# Altium PCB AFE.PcbDoc (part 1 of 2) (continued)
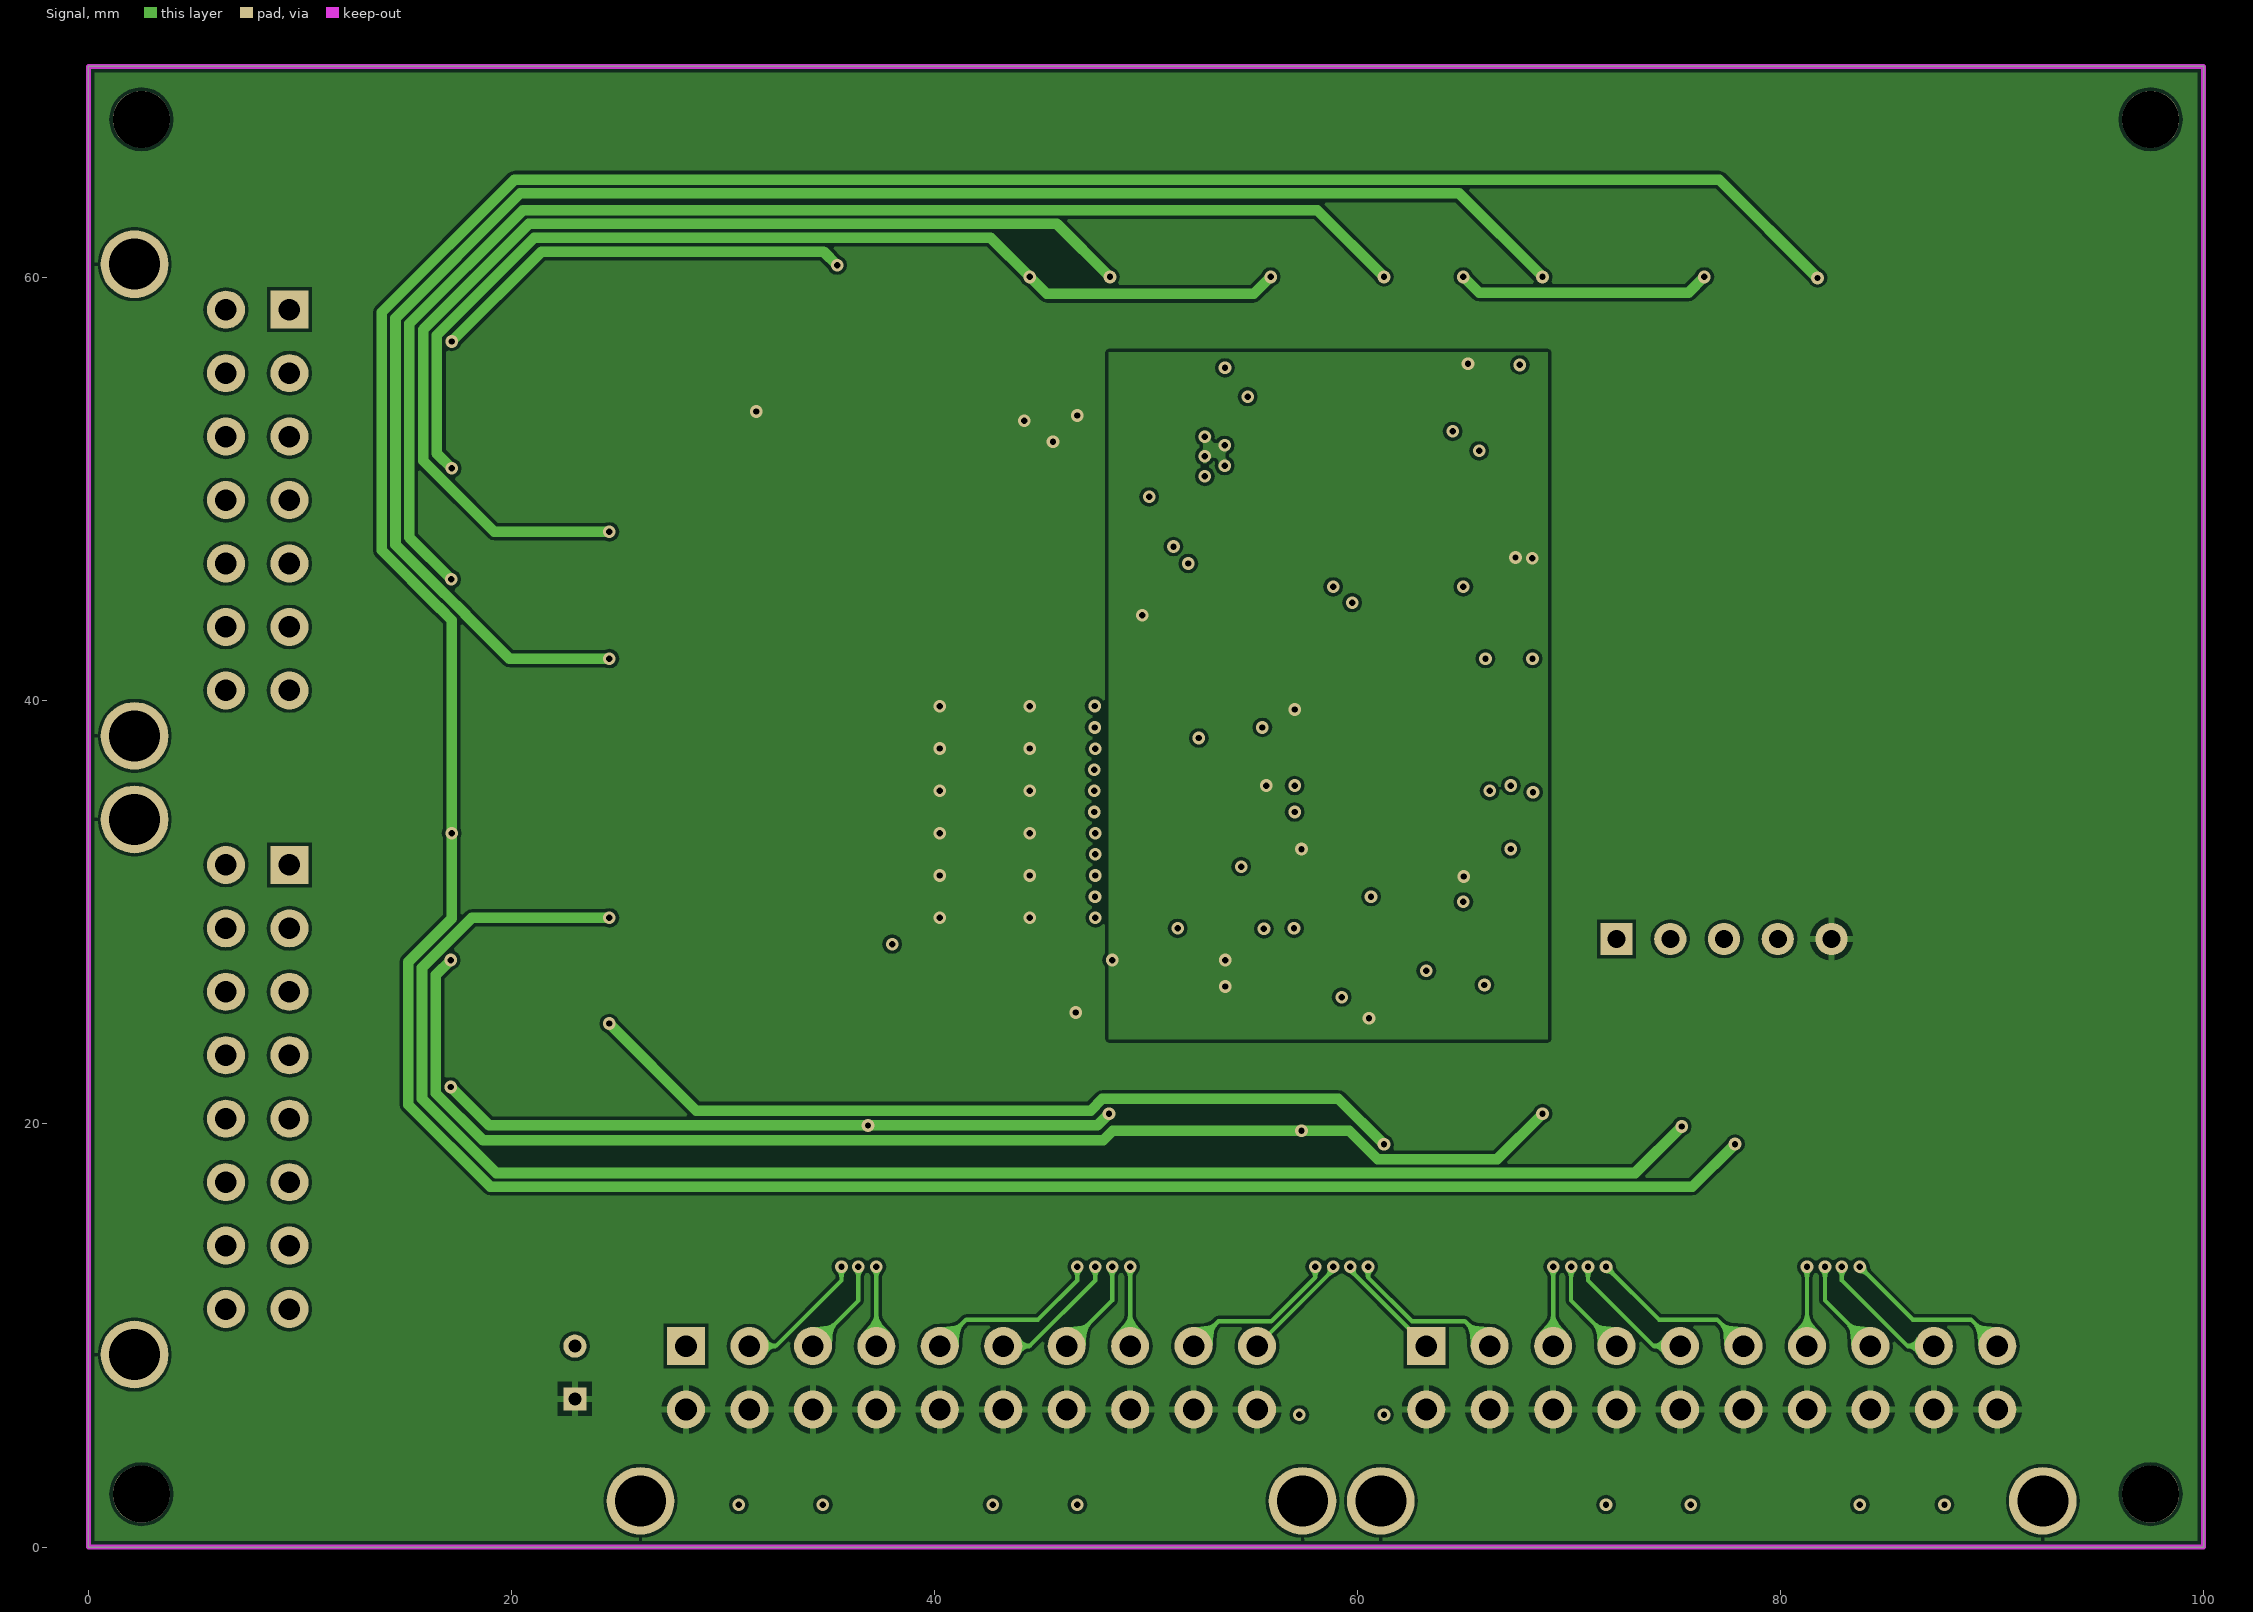
[diagram p3: Signal]
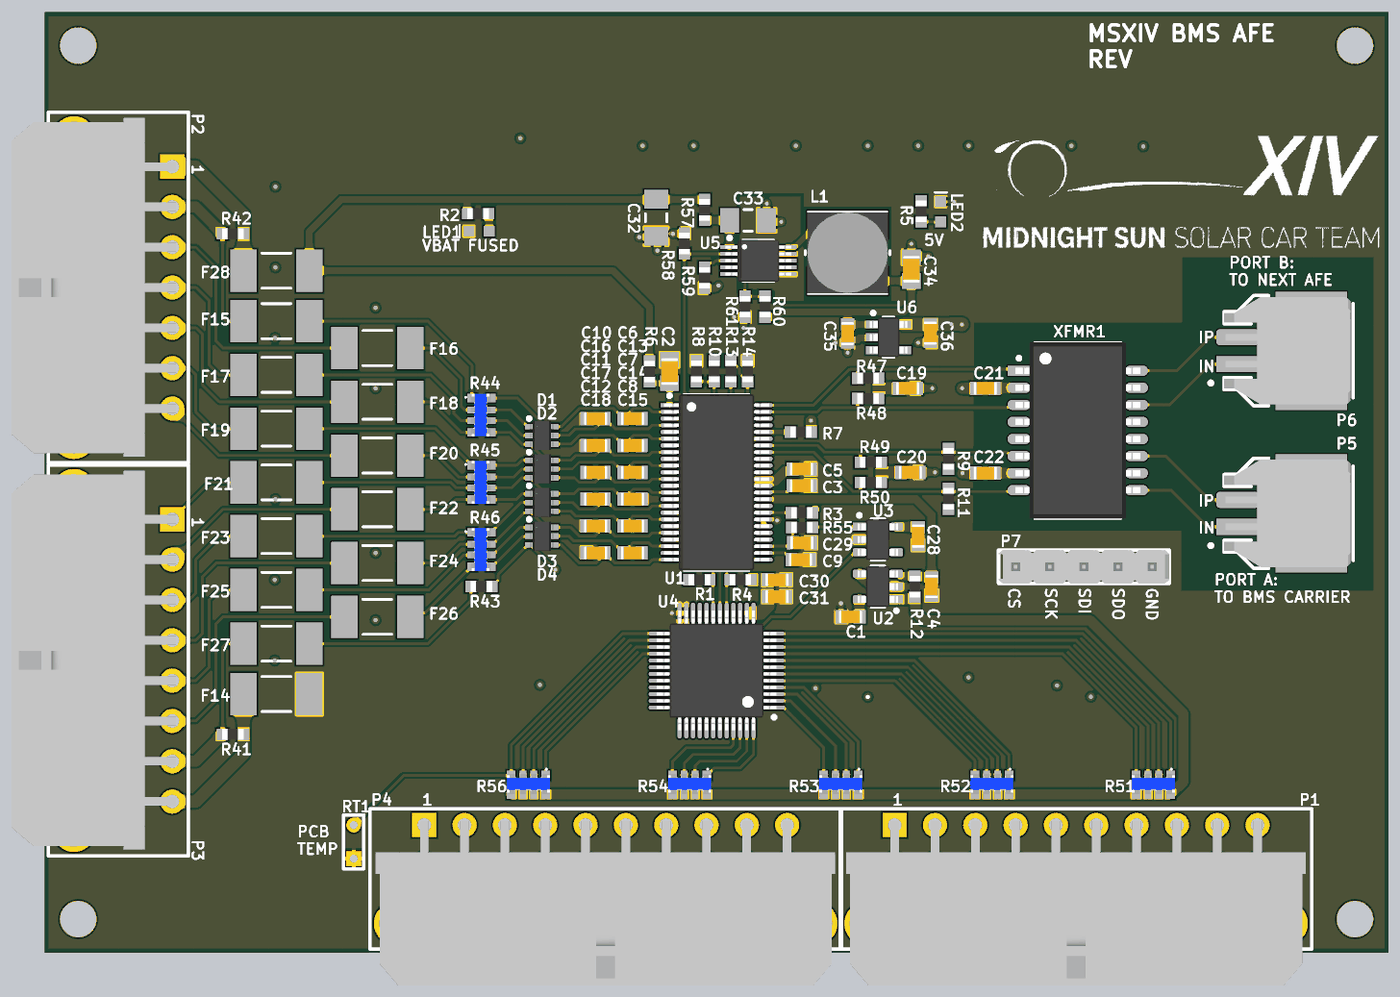
[diagram p5: 3D render of the assembled board from above, using the file's embedded part models]
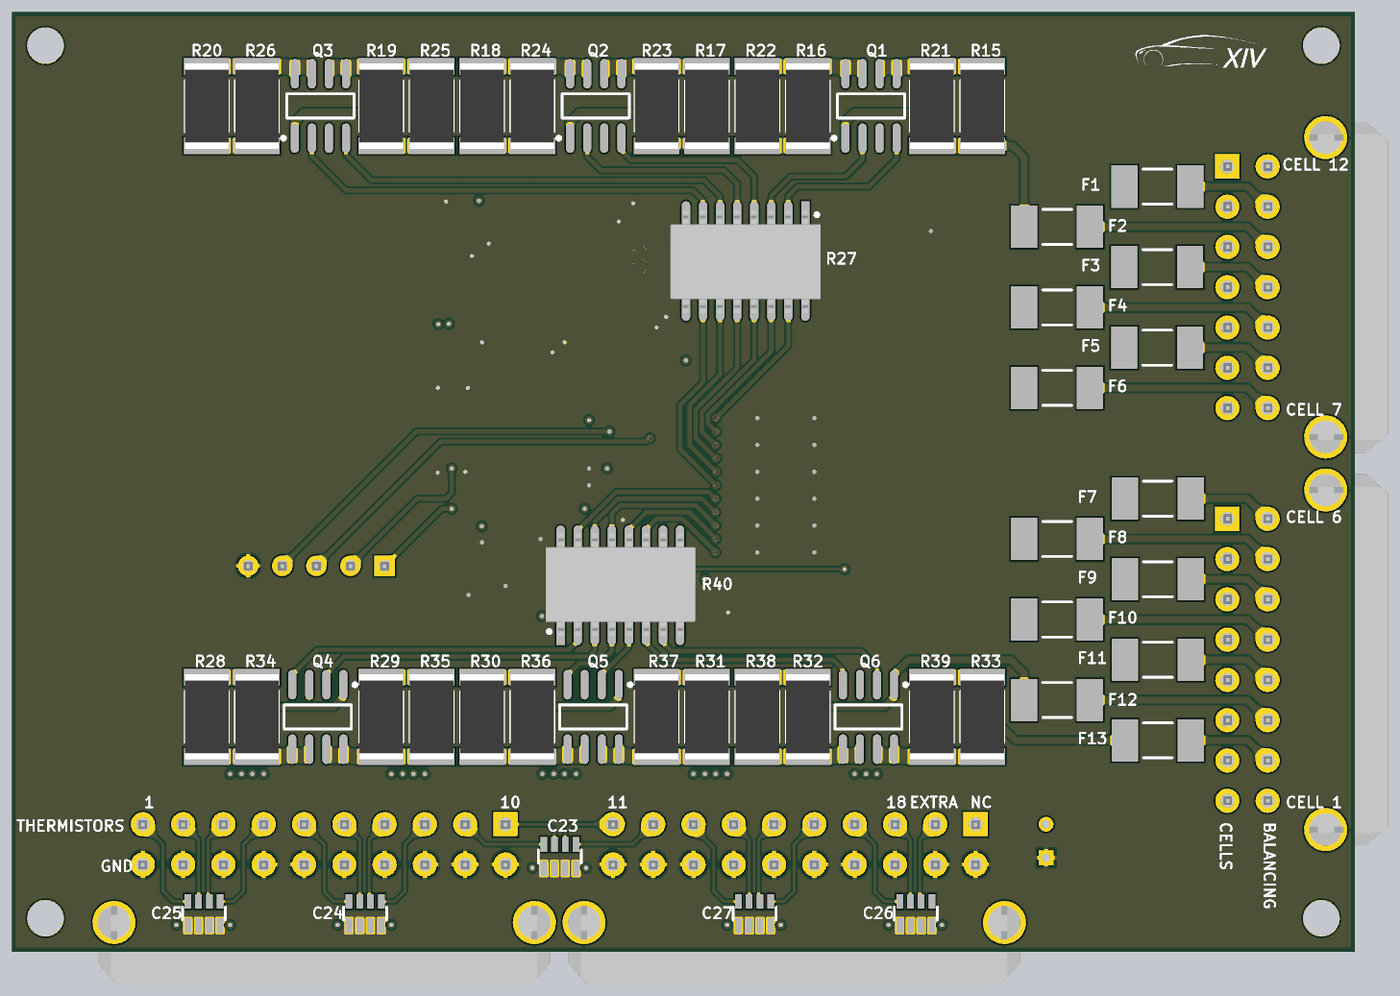
[diagram p6: 3D render of the assembled board from below, using the file's embedded part models]

## Layer stack, top to bottom
Top Solder: solder mask 0.0254, SM-001, Dk 4
Top Layer: signal copper 0.0356
Dielectric 1: core 0.254, FR-4, Dk 4.2
Ground: signal copper 0.036
Dielectric 3: prepreg 0.127, Dk 4.2
Signal: signal copper 0.036
Dielectric 2: core 0.254, Dk 4.2
Bottom Layer: signal copper 0.0356
Bottom Solder: solder mask 0.0254, SM-001, Dk 4

## Board outline
0,0 0,70 100,70 100,0

## Design rules (kind name [scope] priority, off if disabled: settings)
BoardOutlineClearance [All] p1: gap=0.295 ignorepadtopadclearanceinfootprint=FALSE
Clearance HV_IN_Clearance_to_GND [InNetClass('HV_IN') vs InNet('GND')] p1 off: gap=0.6 ignorepadtopadclearanceinfootprint=FALSE except(0: Arc-Hole Track-Hole SMDPad-Hole THPad-Hole Via-Hole Fill-Hole Poly-Hole Region-Hole Text-Hole)
Clearance HV_IN_Clearance_to_+6V [InNetClass('HV_IN') vs InNet('+6V')] p2 off: gap=0.6 ignorepadtopadclearanceinfootprint=FALSE except(0: Arc-Hole Track-Hole SMDPad-Hole THPad-Hole Via-Hole Fill-Hole Poly-Hole Region-Hole Text-Hole)
Clearance HV_IN_Clearance_to_+5V [InNetClass('HV_IN') vs InNet('+5V')] p3 off: gap=0.6 ignorepadtopadclearanceinfootprint=FALSE except(0: Arc-Hole Track-Hole SMDPad-Hole THPad-Hole Via-Hole Fill-Hole Poly-Hole Region-Hole Text-Hole)
Clearance [All] p4: gap=0.152 ignorepadtopadclearanceinfootprint=FALSE except(0: Arc-Hole Track-Hole SMDPad-Hole THPad-Hole Via-Hole Fill-Hole Poly-Hole Region-Hole Text-Hole)
DiffPairsRouting [All] p1: maxlimit=0.65 minlimit=0.45 mostfreqgap=0.6 toplayer_minwidth=0.18 toplayer_maxwidth=0.3 toplayer_prefwidth=0.2 midlayer1_minwidth=0.18 midlayer1_maxwidth=0.3 midlayer1_prefwidth=0.2 midlayer2_minwidth=0.18 midlayer2_maxwidth=0.3 midlayer2_prefwidth=0.2 bottomlayer_minwidth=0.18 bottomlayer_maxwidth=0.3 bottomlayer_prefwidth=0.2 maxuncoupledlength=12.7
HoleSize [All] p1: absolutevalues=TRUE maxlimit=100 minlimit=0.025 maxpercent=80.000 minpercent=20.000
MinimumSolderMaskSliver [All] p1: minsoldermaskwidth=0.3
PlaneConnect [All] p1: planeconnectstyle=Relief reliefexpansion=0.508 reliefentries=4 reliefconductorwidth=0.254 reliefairgap=0.152
PolygonConnect Vias [isVia] p1: connectstyle=Direct reliefconductorwidth=0.254 reliefentries=4 polygonreliefangle="90 Angle" airgapwidth=0.254
PolygonConnect FUSED_VBAT- [InNet('FUSED_VBAT-')] p2: thpad.connectstyle=Relief thpad.reliefconductorwidth=0.3 thpad.reliefentries=4 thpad.polygonreliefangle="90 Angle" thpad.airgapwidth=0.254 smdpad.connectstyle=Direct smdpad.reliefconductorwidth=0.254 smdpad.reliefentries=4 smdpad.polygonreliefangle="90 Angle" smdpad.airgapwidth=0.254 via.connectstyle=Direct via.reliefconductorwidth=0.254 via.reliefentries=4 via.polygonreliefangle="90 Angle" via.airgapwidth=0.254
PolygonConnect [All] p3: connectstyle=Relief reliefconductorwidth=0.3 reliefentries=4 polygonreliefangle="90 Angle" airgapwidth=0.152
RoutingVias [All] p1: holewidth=0.3 width=0.6 viastyle="Through Hole" minholewidth=0.3 minwidth=0.6 maxholewidth=0.711 maxwidth=1.27
SilkToSilkClearance [All] p1: silktosilkclearance=0
SilkToSolderMaskClearance [IsPad] p1: minsilkscreentomaskgap=0.178 clearancetoexposedcopper=TRUE
SolderMaskExpansion [All] p1: expansion=0.102 istentingtop=FALSE
Width [All] p1: maxlimit=2.54 minlimit=0.2 preferedwidth=0.35
24 further rules are at their usual default settings.

## Classes and differential pairs
net class BAL_INPUT_[0..12]: BAL_INPUT_0 BAL_INPUT_1 BAL_INPUT_2 BAL_INPUT_3 BAL_INPUT_4 BAL_INPUT_5 BAL_INPUT_6 BAL_INPUT_7 BAL_INPUT_8 BAL_INPUT_9 BAL_INPUT_10 BAL_INPUT_11 BAL_INPUT_12
net class BAL_CONTROL_[1..12]: BAL_CONTROL_1 BAL_CONTROL_2 BAL_CONTROL_3 BAL_CONTROL_4 BAL_CONTROL_5 BAL_CONTROL_6 BAL_CONTROL_7 BAL_CONTROL_8 BAL_CONTROL_9 BAL_CONTROL_10 BAL_CONTROL_11 BAL_CONTROL_12
component class "U_BMS AFE - Regulator": C23 C24 C25 C36 L1 R15 R21 R33 R39 R54 U2 U6
component class "BMS AFE - Thermistors": C11 C21 C30 C36 R5 R11 R17 R22 R27 R54 RT1 U3
component class "BMS AFE - Connectors": C23 C24 C25 C36 P1 P2 P4 P5
component class "BMS AFE - Communications": C1 C3 C5 C21 R22 R23 R29 R37 XFMR1
component class "BMS AFE - Cell Balancing": F3 F4 F7 F8 F9 F11 F13 F17 Q3 Q5 Q6 R5 R8 R11 R14 R15 R17 R21 R22 R27 R28 R29 R34 R35 R37 R41 R44 R48 R54
net class THERMISTOR_CELL_[0..17]: THERMISTOR_CELL_0 THERMISTOR_CELL_1 THERMISTOR_CELL_2 THERMISTOR_CELL_3 THERMISTOR_CELL_4 THERMISTOR_CELL_5 THERMISTOR_CELL_6 THERMISTOR_CELL_7 THERMISTOR_CELL_8 THERMISTOR_CELL_9 THERMISTOR_CELL_10 THERMISTOR_CELL_11 THERMISTOR_CELL_12 THERMISTOR_CELL_13 THERMISTOR_CELL_14 THERMISTOR_CELL_15 THERMISTOR_CELL_16 THERMISTOR_CELL_17
net class CELL_INPUT_[0..12]: CELL_INPUT_0 CELL_INPUT_1 CELL_INPUT_2 CELL_INPUT_3 CELL_INPUT_4 CELL_INPUT_5 CELL_INPUT_6 CELL_INPUT_7 CELL_INPUT_8 CELL_INPUT_9 CELL_INPUT_10 CELL_INPUT_11 CELL_INPUT_12
net class AFE_CELL_INPUT_[0..12]: AFE_CELL_INPUT_0 AFE_CELL_INPUT_1 AFE_CELL_INPUT_2 AFE_CELL_INPUT_3 AFE_CELL_INPUT_4 AFE_CELL_INPUT_5 AFE_CELL_INPUT_6 AFE_CELL_INPUT_7 AFE_CELL_INPUT_8 AFE_CELL_INPUT_9 AFE_CELL_INPUT_10 AFE_CELL_INPUT_11 AFE_CELL_INPUT_12
component class "BMS AFE - AFE": C1 C2 C11 C21 C30 LED1 LED2 R5 R8 R11 R14 R25 R35 R41 R44 R46 R54 U2 U3
component class "BMS AFE - Cell Inputs": C2 C7 C8 C11 C21 C24 C25 C30 D1 D2 F2 F3 F4 F7 F8 F9 F11 F12 F13 F16 F17 q R18 R25 R35 R41 R44 R46
differential pair ISOSPI_IB: +ISOSPI_IB_P -ISOSPI_IB_N
differential pair ISOSPI_IA: +ISOSPI_IA_P -ISOSPI_IA_N
differential pair IB: +IB_P -IB_N
differential pair IA: +IA_P -IA_N

## Components (designator, comment, footprint, x,y, rotation, side; value= is the part's Value field where it differs from the comment)
C1 "CAP CER 0.1UF 50V 10% X7R 0603" "CAP, 0603" 59.965,25 r180 top
C2 "CAP CER 0.1UF 100V 10% X7R 0805" "CAP, 0805" 46.5,43.25 r90 top
C3 "CAP CER 1UF 50V 10% X7R 0603" "CAP, 0603" 56.325,34.75 r0 top
C4 "CAP CER 1UF 50V 10% X7R 0603" "CAP, 0603" 66,27.25 r270 top
C5 "CAP CER 1UF 50V 10% X7R 0603" "CAP, 0603" 56.325,36 r0 top
C6 "CAP CER 10nF 50V 5% X7R 0603" "CAP, 0603" 43.75,39.75 r0 top
C7 "CAP CER 10nF 50V 5% X7R 0603" "CAP, 0603" 43.75,35.75 r0 top
C8 "CAP CER 10nF 50V 5% X7R 0603" "CAP, 0603" 43.75,31.75 r0 top (schematic designator C?)
C9 "CAP CER 10nF 50V 5% X7R 0603" "CAP, 0603" 56.25,29.25 r0 top
C10 "CAP CER 10nF 50V 5% X7R 0603" "CAP, 0603" 41,39.75 r180 top
C11 "CAP CER 10nF 50V 5% X7R 0603" "CAP, 0603" 41,35.75 r180 top
C12 "CAP CER 10nF 50V 5% X7R 0603" "CAP, 0603" 41,31.75 r180 top
C13 "CAP CER 10nF 50V 5% X7R 0603" "CAP, 0603" 43.75,37.75 r0 top
C14 "CAP CER 10nF 50V 5% X7R 0603" "CAP, 0603" 43.75,33.75 r0 top
C15 "CAP CER 10nF 50V 5% X7R 0603" "CAP, 0603" 43.75,29.75 r0 top
C16 "CAP CER 10nF 50V 5% X7R 0603" "CAP, 0603" 41,37.75 r180 top
C17 "CAP CER 10nF 50V 5% X7R 0603" "CAP, 0603" 41,33.75 r180 top
C18 "CAP CER 10nF 50V 5% X7R 0603" "CAP, 0603" 41,29.75 r180 top
C19 "CAP CER 10nF 50V 5% X7R 0603" "CAP, 0603" 64.225,42 r0 top
C20 "CAP CER 10nF 50V 5% X7R 0603" "CAP, 0603" 64.425,35.75 r0 top
C21 "CAP CER 10nF 50V 5% X7R 0603" "CAP, 0603" 70,42 r180 top
C22 "CAP CER 10nF 50V 5% X7R 0603" "CAP, 0603" 70,35.69 r180 top
C23 "CAP ARRAY 10000PF 50V X7R 0612" "CAP ARRAY 4 POS 0612" 60.4,6.2 r90 bottom
C24 "CAP ARRAY 10000PF 50V X7R 0612" "CAP ARRAY 4 POS 0612" 74.9,1.95 r90 bottom
C25 "CAP ARRAY 10000PF 50V X7R 0612" "CAP ARRAY 4 POS 0612" 86.9,1.95 r90 bottom
C26 "CAP ARRAY 10000PF 50V X7R 0612" "CAP ARRAY 4 POS 0612" 33.9,1.95 r90 bottom
C27 "CAP ARRAY 10000PF 50V X7R 0612" "CAP ARRAY 4 POS 0612" 45.9,1.95 r90 bottom
C28 "CAP CER 0.1UF 50V 10% X7R 0603" "CAP, 0603" 65,31 r270 top (schematic designator C33)
C29 "CAP CER 10nF 50V 5% X7R 0603" "CAP, 0603" 56.352,30.502 r0 top (schematic designator C34)
C30 "CAP CER 1UF 50V 10% X7R 0603" "CAP, 0603" 54.5,27.75 r0 top (schematic designator C35)
C31 "CAP CER 0.1UF 50V 10% X7R 0603" "CAP, 0603" 54.5,26.5 r0 top (schematic designator C36)
C32 "CAP CER 2.2UF 100V ±20% X7R 1206" "CAP, 1206" 45.5,54.7 r270 top (schematic designator C28)
C33 "CAP CER 2.2UF 100V ±20% X7R 1206" "CAP, 1206" 52.343,54.5 r0 top (schematic designator C29)
C34 "CAP CER 10uF 25V 10% X5R 0805" "CAP, 0805" 64.5,50.865 r90 top (schematic designator C30)
C35 "CAP CER 1UF 50V 10% X7R 0603" "CAP, 0603" 59.75,46.075 r270 top (schematic designator C31)
C36 "CAP CER 2.2UF 25V 10% X5R 0603" "CAP, 0603" 65.905,46.109 r270 top (schematic designator C32)
D1 "5.6V" SOT-363 37,38.5 r0 top
D2 "5.6V" SOT-363 37,36 r0 top
D3 "5.6V" SOT-363 37,33.5 r0 top
D4 "5.6V" SOT-363 37,31 r0 top
Designator1 "Comment" "MSXIV LOGO" 88.875,59.75 r0 top
F1 "500mA 250V" "FUSE JFC2410-0500FS" 14.7,57 r0 bottom
F2 "500mA 250V" "FUSE JFC2410-0500FS" 22.175,54 r0 bottom
F3 "500mA 250V" "FUSE JFC2410-0500FS" 14.725,51 r0 bottom
F4 "500mA 250V" "FUSE JFC2410-0500FS" 22.175,48 r0 bottom
F5 "500mA 250V" "FUSE JFC2410-0500FS" 14.725,45 r0 bottom
F6 "500mA 250V" "FUSE JFC2410-0500FS" 22.175,42 r0 bottom
F7 "500mA 250V" "FUSE JFC2410-0500FS" 14.675,33.75 r0 bottom
F8 "500mA 250V" "FUSE JFC2410-0500FS" 22.175,30.75 r0 bottom
F9 "500mA 250V" "FUSE JFC2410-0500FS" 14.675,27.75 r0 bottom
F10 "500mA 250V" "FUSE JFC2410-0500FS" 22.175,24.75 r0 bottom
F11 "500mA 250V" "FUSE JFC2410-0500FS" 14.675,21.75 r0 bottom
F12 "500mA 250V" "FUSE JFC2410-0500FS" 22.175,18.75 r0 bottom
F13 "500mA 250V" "FUSE JFC2410-0500FS" 14.675,15.75 r0 bottom
F14 "500mA 250V" "FUSE JFC2410-0500FS" 17.25,19.25 r0 top
F15 "500mA 250V" "FUSE JFC2410-0500FS" 17.25,47 r0 top
F16 "500mA 250V" "FUSE JFC2410-0500FS" 24.75,45 r0 top
F17 "500mA 250V" "FUSE JFC2410-0500FS" 17.25,43 r0 top
F18 "500mA 250V" "FUSE JFC2410-0500FS" 24.75,41 r0 top
F19 "500mA 250V" "FUSE JFC2410-0500FS" 17.25,39 r0 top
F20 "500mA 250V" "FUSE JFC2410-0500FS" 24.75,37 r0 top
F21 "500mA 250V" "FUSE JFC2410-0500FS" 17.25,35 r0 top
F22 "500mA 250V" "FUSE JFC2410-0500FS" 24.75,33 r0 top
F23 "500mA 250V" "FUSE JFC2410-0500FS" 17.25,31 r0 top
F24 "500mA 250V" "FUSE JFC2410-0500FS" 24.75,29 r0 top
F25 "500mA 250V" "FUSE JFC2410-0500FS" 17.25,27 r0 top
F26 "500mA 250V" "FUSE JFC2410-0500FS" 24.75,25 r0 top
F27 "500mA 250V" "FUSE JFC2410-0500FS" 17.25,23 r0 top
F28 "500mA 250V" "FUSE JFC2410-0500FS" 17.25,50.75 r0 top
L1 "IND 220uH 0.59A 20%" INDP6060X23N 59.75,52.09 r270 top (schematic designator L?)
LED1 "LED RED CLEAR 2V 0603" LED_0603 33.025,53.7 r180 top (schematic designator LED?)
LED2 "LED GREEN CLEAR 2V 0603" LED_0603 66.685,54.44 r90 top (schematic designator LED?)
P1 "CONN R/A 20POS 3MM" "CONN, R/A 20POS MICRO-FIT 3mm" 63.25,9.5 r180 top
P2 "CONN R/A 14POS 3MM" "CONN, R/A 14POS MICRO-FIT 3mm" 9.5,58.5 r90 top (schematic designator P?)
P3 "CONN R/A 16POS 3MM" "CONN, R/A 16POS MICRO-FIT 3mm" 9.5,32.25 r90 top
P4 "CONN R/A 20POS 3MM" "CONN, R/A 20POS MICRO-FIT 3mm" 28.25,9.5 r180 top
P5 "CONN 2POS DURA-CLIK 0.079\"" "CONN, 2POS Dura-Click" 88.77,31.7 r90 top
P6 "CONN 2POS DURA-CLIK 0.079\"" "CONN, 2POS Dura-Click" 88.77,43.8 r90 top
P7 "5POS 0.1" "CONN, 5POS HEADR 0.1\"" 72.25,28.75 r0 top
Q1 "MOSFET DUAL P-CH 40V 8A 3.2W 8-SOIC" SOIC8 36,63 r90 bottom
Q2 "MOSFET DUAL P-CH 40V 8A 3.2W 8-SOIC" SOIC8 56.5,63 r90 bottom
Q3 "MOSFET DUAL P-CH 40V 8A 3.2W 8-SOIC" SOIC8 77,63 r90 bottom
Q4 "MOSFET DUAL P-CH 40V 8A 3.2W 8-SOIC" SOIC8 77.25,17.5 r270 bottom
Q5 "MOSFET DUAL P-CH 40V 8A 3.2W 8-SOIC" SOIC8 56.75,17.5 r270 bottom
Q6 "MOSFET DUAL P-CH 40V 8A 3.2W 8-SOIC" SOIC8 36.25,17.5 r270 bottom (schematic designator Q?)
R1 "RES 4.7K OHM 1% 1/10W 0603" "RES, 0603" 48.725,27.75 r180 top
R2 "RES 100K OHM 5% 1/8W 0603" "RES, 0603" 32.25,55 r0 top
R3 "RES 4.7K OHM 1% 1/10W 0603" "RES, 0603" 56.35,32.74 r0 top
R4 "RES 4.7K OHM 1% 1/10W 0603" "RES, 0603" 51.775,27.75 r0 top
R5 "RES 4.7K OHM 1% 1/10W 0603" "RES, 0603" 65.225,55.165 r270 top
R6 "RES 100 OHM 1% 1/10W 0603" "RES, 0603" 45,43.25 r270 top
R7 "RES 4.7K OHM 1% 1/10W 0603" "RES, 0603" 56.275,38.75 r180 top
R8 "RES 0.0 OHM 1/4W 0603" "RES, 0603" 48.5,43.275 r270 top
R9 "RES 0.0 OHM 1/4W 0603" "RES, 0603" 67.25,36.75 r270 top
R10 "RES 0.0 OHM 1/4W 0603" "RES, 0603" 49.817,43.275 r90 top
R11 "RES 0.0 OHM 1/4W 0603" "RES, 0603" 67.25,33.775 r270 top
R12 "RES 0.0 OHM 1/4W 0603" "RES, 0603" 64.75,27.25 r270 top
R13 "RES 1.4k OHM 1% 1/10W 0603" "RES, 0603" 51.067,43.275 r90 top
R14 "RES 604 OHM 1% 1/10W 0603" "RES, 0603" 52.317,43.275 r90 top
R15 "RES 33 OHM 5% 1.5W 2512" "RES STACKPOLE RPC2512 2512" 27.75,63 r90 bottom value=33R
R16 "RES 33 OHM 5% 1.5W 2512" "RES STACKPOLE RPC2512 2512" 40.75,63 r90 bottom value=33R
R17 "RES 33 OHM 5% 1.5W 2512" "RES STACKPOLE RPC2512 2512" 48.25,63 r90 bottom value=33R
R18 "RES 33 OHM 5% 1.5W 2512" "RES STACKPOLE RPC2512 2512" 65,63 r90 bottom value=33R
R19 "RES 33 OHM 5% 1.5W 2512" "RES STACKPOLE RPC2512 2512" 72.5,63 r90 bottom value=33R
R20 "RES 33 OHM 5% 1.5W 2512" "RES STACKPOLE RPC2512 2512" 85.5,63 r90 bottom value=33R
R21 "RES 33 OHM 5% 1.5W 2512" "RES STACKPOLE RPC2512 2512" 31.5,63 r90 bottom value=33R
R22 "RES 33 OHM 5% 1.5W 2512" "RES STACKPOLE RPC2512 2512" 44.5,63 r90 bottom value=33R
R23 "RES 33 OHM 5% 1.5W 2512" "RES STACKPOLE RPC2512 2512" 52,63 r90 bottom value=33R
R24 "RES 33 OHM 5% 1.5W 2512" "RES STACKPOLE RPC2512 2512" 61.25,63 r90 bottom value=33R
R25 "RES 33 OHM 5% 1.5W 2512" "RES STACKPOLE RPC2512 2512" 68.75,63 r90 bottom value=33R
R26 "RES 33 OHM 5% 1.5W 2512" "RES STACKPOLE RPC2512 2512" 81.75,63 r90 bottom value=33R
R27 "RES ARRAY 3.3K OHM 2% 16SOIC" SOIC16 40.92,54.9 r270 bottom
R28 "RES 33 OHM 5% 1.5W 2512" "RES STACKPOLE RPC2512 2512" 85.5,17.5 r270 bottom value=33R
R29 "RES 33 OHM 5% 1.5W 2512" "RES STACKPOLE RPC2512 2512" 72.5,17.5 r270 bottom value=33R
R30 "RES 33 OHM 5% 1.5W 2512" "RES STACKPOLE RPC2512 2512" 65,17.5 r270 bottom value=33R
R31 "RES 33 OHM 5% 1.5W 2512" "RES STACKPOLE RPC2512 2512" 48.25,17.5 r270 bottom value=33R